# KiCad board Pico-ButtonBoard-v1.kicad_pcb
title: Pico Button Board; date: 2026-01-21; rev: 1
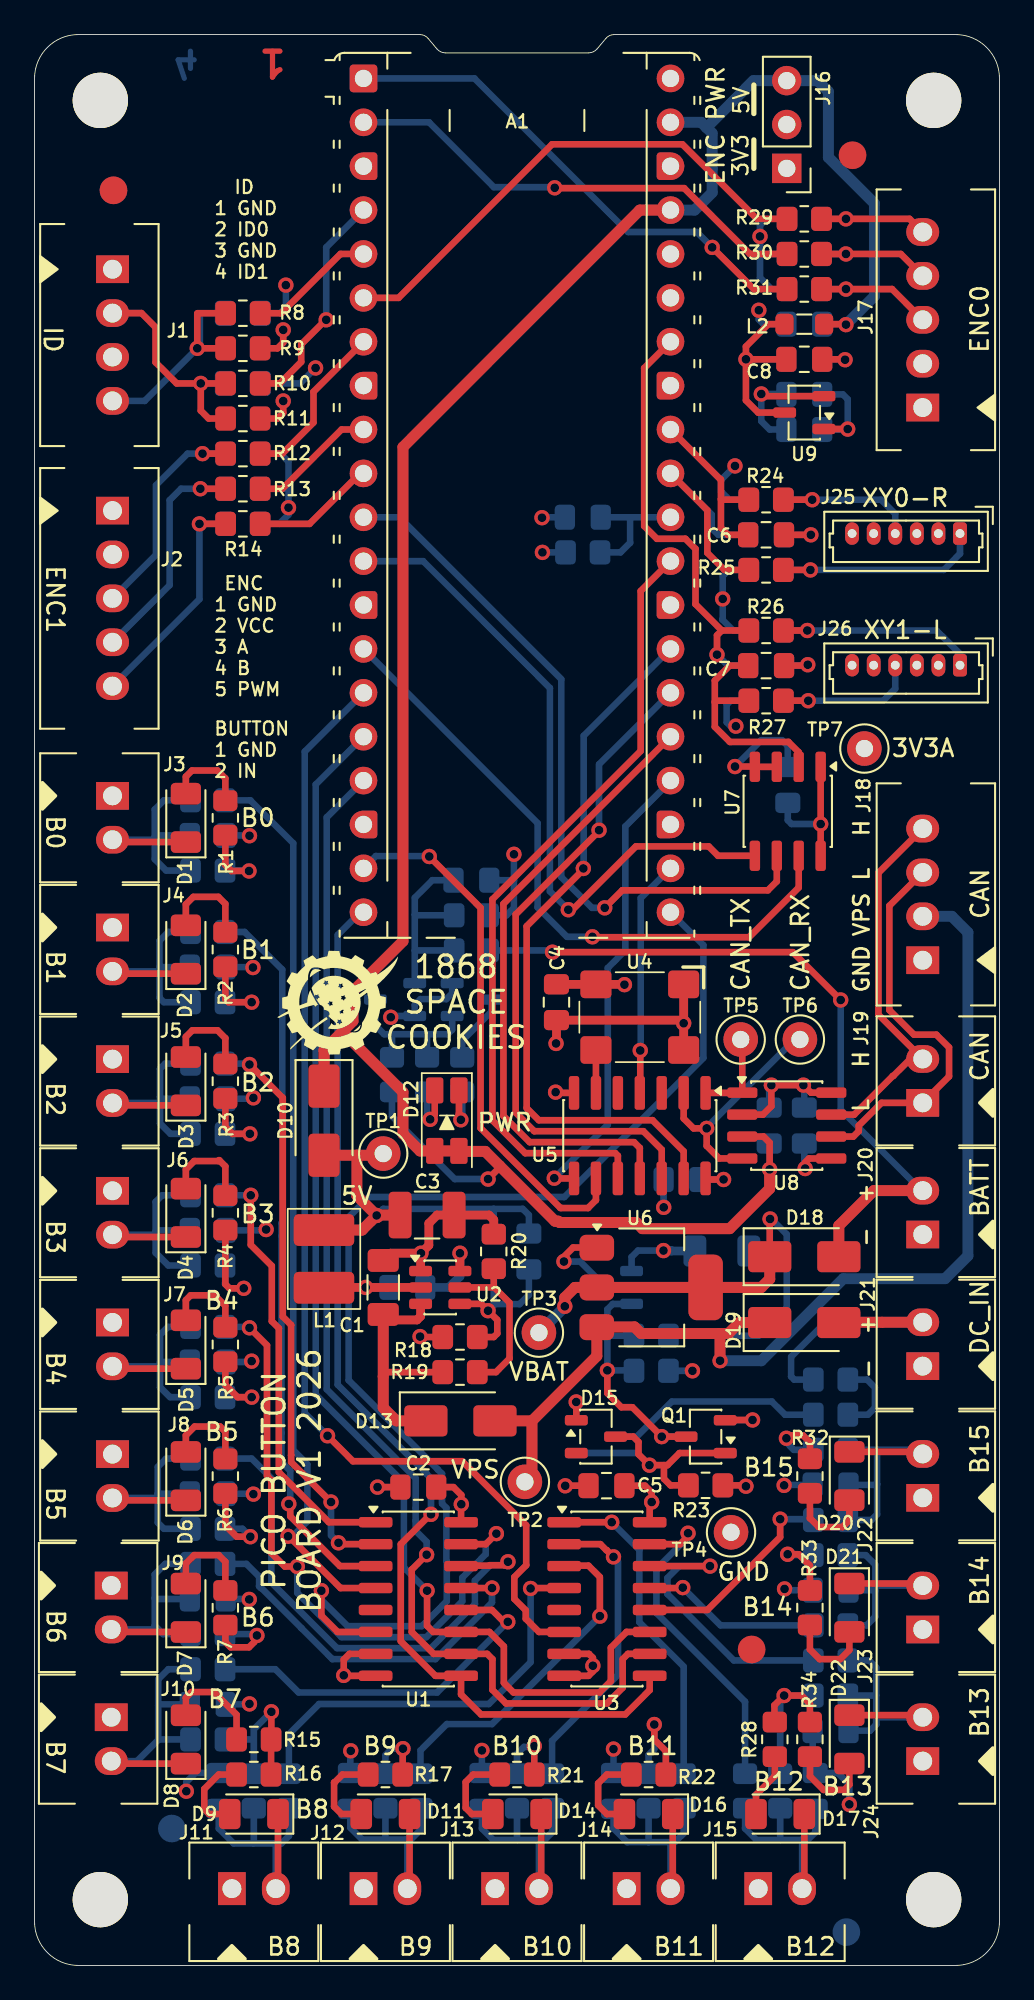
[diagram p0: board, top side]
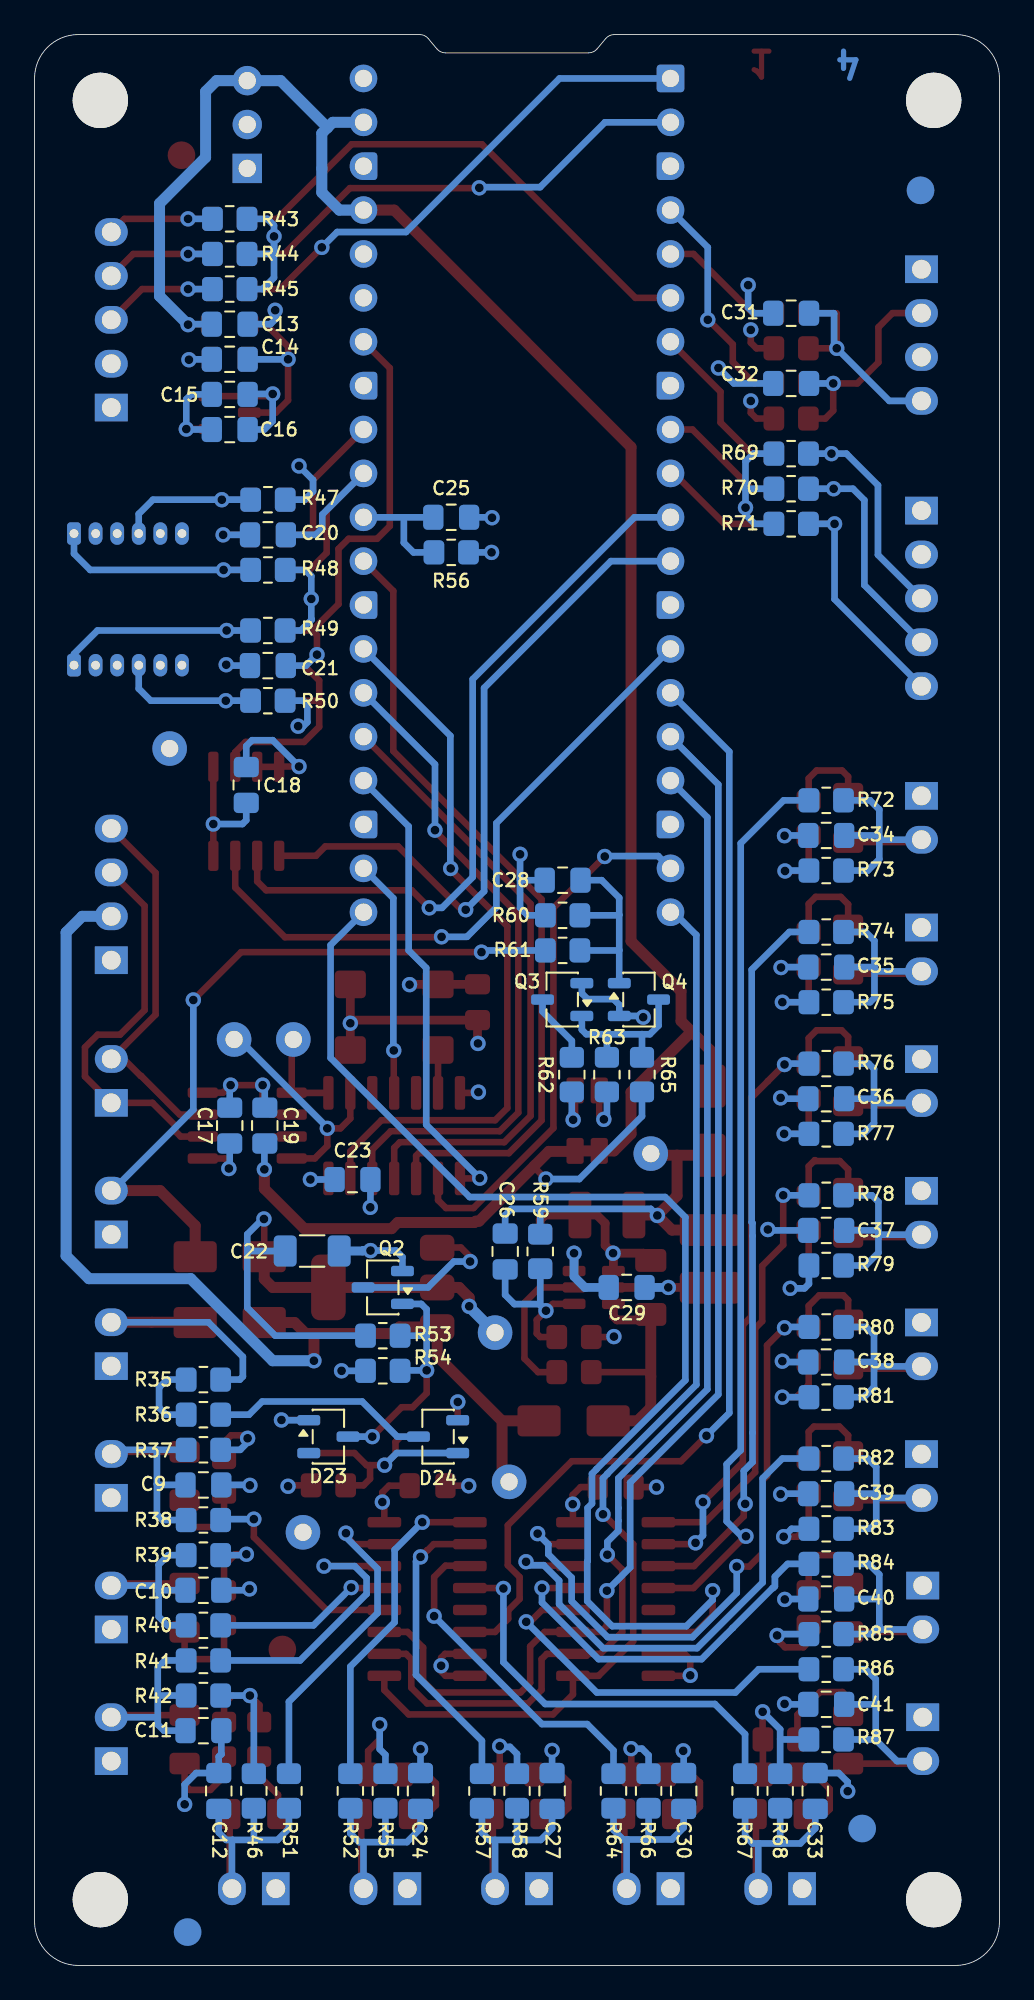
[diagram p1: board, bottom side, seen from below]

Outline 55.88 x 111.76 mm; copper layers: Top, In1.Cu, In2.Cu, Bottom. Coordinates in mm from the lower left corner of the outline.
Outline path: 0,109.22 arc(0.74,111.02) 2.54,111.76 22.31,111.76 arc(22.58,111.7) 22.8,111.53 23.3,110.93 arc(23.52,110.76) 23.79,110.7 32.09,110.7 arc(32.36,110.76) 32.58,110.93 33.08,111.53 arc(33.3,111.7) 33.57,111.76 53.34,111.76 arc(55.14,111.02) 55.88,109.22 55.88,2.54 arc(55.14,0.74) 53.34,0 2.54,0 arc(0.74,0.74) 0,2.54 0,109.22
Stack: Top 0.035mm / dielectric 0.1mm FR4 er 4.5 / In1.Cu 0.035mm / dielectric 1.24mm FR4 er 4.5 / In2.Cu 0.035mm / dielectric 0.1mm FR4 er 4.5 / Bottom 0.035mm

## Placement (name value [footprint] x y rotation side)
A1  RaspberryPi_Pico2  [RaspberryPi_Pico_Common_Unspecified]  27.94 85.09 0 top
C1  10uF-10%-50V-1206  [C_1206_3216Metric_Pad1.33x1.80mm_HandSolder]  20.19 39.24 90 top
C2  0.1uF-25V-10%-0805  [C_0805_2012Metric_Pad1.18x1.45mm_HandSolder]  22.22 27.69 180 top
C3  47uF-10%-16V-1210  [C_1210_3225Metric_Pad1.33x2.70mm_HandSolder]  22.73 43.43 0 top
C4  0.1uF-25V-10%-0805  [C_0805_2012Metric_Pad1.18x1.45mm_HandSolder]  30.23 55.75 90 top
C5  0.1uF-25V-10%-0805  [C_0805_2012Metric_Pad1.18x1.45mm_HandSolder]  33.12 27.77 180 top
C6  1000pF-50V-5%-0805  [C_0805_2012Metric_Pad1.18x1.45mm_HandSolder]  42.36 82.8 0 top
C7  1000pF-50V-5%-0805  [C_0805_2012Metric_Pad1.18x1.45mm_HandSolder]  42.37 75.23 0 top
C8  0.1uF-25V-10%-0805  [C_0805_2012Metric_Pad1.18x1.45mm_HandSolder]  44.58 92.96 0 top
C9  0.1uF-25V-10%-0805  [C_0805_2012Metric_Pad1.18x1.45mm_HandSolder]  46.1 27.81 180 bottom
C10  0.1uF-25V-10%-0805  [C_0805_2012Metric_Pad1.18x1.45mm_HandSolder]  46.1 21.72 180 bottom
C11  0.1uF-25V-10%-0805  [C_0805_2012Metric_Pad1.18x1.45mm_HandSolder]  46.1 13.59 180 bottom
C12  0.1uF-25V-10%-0805  [C_0805_2012Metric_Pad1.18x1.45mm_HandSolder]  45.21 10.1 90 bottom
C13  4.7uF-25V-10%-0805  [C_0805_2012Metric_Pad1.18x1.45mm_HandSolder]  44.58 95 180 bottom
C14  4.7uF-25V-10%-0805  [C_0805_2012Metric_Pad1.18x1.45mm_HandSolder]  44.58 92.96 0 bottom
C15  4.7uF-25V-10%-0805  [C_0805_2012Metric_Pad1.18x1.45mm_HandSolder]  44.58 90.93 0 bottom
C16  0.1uF-25V-10%-0805  [C_0805_2012Metric_Pad1.18x1.45mm_HandSolder]  44.58 88.9 0 bottom
C17  0.1uF-25V-10%-0805  [C_0805_2012Metric_Pad1.18x1.45mm_HandSolder]  44.58 48.61 90 bottom
C18  0.1uF-25V-10%-0805  [C_0805_2012Metric_Pad1.18x1.45mm_HandSolder]  43.62 68.33 90 bottom
C19  0.1uF-25V-10%-0805  [C_0805_2012Metric_Pad1.18x1.45mm_HandSolder]  42.54 48.61 90 bottom
C20  1000pF-50V-5%-0805  [C_0805_2012Metric_Pad1.18x1.45mm_HandSolder]  42.36 82.8 0 bottom
C21  1000pF-50V-5%-0805  [C_0805_2012Metric_Pad1.18x1.45mm_HandSolder]  42.37 75.23 0 bottom
C22  10uF-10%-50V-1206  [C_1206_3216Metric_Pad1.33x1.80mm_HandSolder]  39.8 41.35 180 bottom
C23  0.1uF-25V-10%-0805  [C_0805_2012Metric_Pad1.18x1.45mm_HandSolder]  37.47 45.49 180 bottom
C24  0.1uF-25V-10%-0805  [C_0805_2012Metric_Pad1.18x1.45mm_HandSolder]  33.53 10.1 90 bottom
C25  0.1uF-25V-10%-0805  [C_0805_2012Metric_Pad1.18x1.45mm_HandSolder]  31.75 83.82 180 bottom
C26  68pF-50V-5%-0805  [C_0805_2012Metric_Pad1.18x1.45mm_HandSolder]  28.63 41.33 270 bottom
C27  0.1uF-25V-10%-0805  [C_0805_2012Metric_Pad1.18x1.45mm_HandSolder]  25.91 10.1 90 bottom
C28  0.1uF-25V-10%-0805  [C_0805_2012Metric_Pad1.18x1.45mm_HandSolder]  25.3 62.81 0 bottom
C29  0.1uF-25V-10%-0805  [C_0805_2012Metric_Pad1.18x1.45mm_HandSolder]  21.59 39.24 180 bottom
C30  0.1uF-25V-10%-0805  [C_0805_2012Metric_Pad1.18x1.45mm_HandSolder]  18.29 10.1 90 bottom
C31  0.1uF-25V-10%-0805  [C_0805_2012Metric_Pad1.18x1.45mm_HandSolder]  12.06 95.63 0 bottom  (not fitted)
C32  0.1uF-25V-10%-0805  [C_0805_2012Metric_Pad1.18x1.45mm_HandSolder]  12.06 91.57 0 bottom  (not fitted)
C33  0.1uF-25V-10%-0805  [C_0805_2012Metric_Pad1.18x1.45mm_HandSolder]  10.67 10.1 90 bottom
C34  0.1uF-25V-10%-0805  [C_0805_2012Metric_Pad1.18x1.45mm_HandSolder]  10.03 65.41 0 bottom
C35  0.1uF-25V-10%-0805  [C_0805_2012Metric_Pad1.18x1.45mm_HandSolder]  10.03 57.78 0 bottom
C36  0.1uF-25V-10%-0805  [C_0805_2012Metric_Pad1.18x1.45mm_HandSolder]  10.03 50.16 0 bottom
C37  0.1uF-25V-10%-0805  [C_0805_2012Metric_Pad1.18x1.45mm_HandSolder]  10.03 42.54 0 bottom
C38  0.1uF-25V-10%-0805  [C_0805_2012Metric_Pad1.18x1.45mm_HandSolder]  10.03 34.92 0 bottom
C39  0.1uF-25V-10%-0805  [C_0805_2012Metric_Pad1.18x1.45mm_HandSolder]  10.03 27.31 0 bottom
C40  0.1uF-25V-10%-0805  [C_0805_2012Metric_Pad1.18x1.45mm_HandSolder]  10.03 21.21 0 bottom
C41  0.1uF-25V-10%-0805  [C_0805_2012Metric_Pad1.18x1.45mm_HandSolder]  10.03 15.11 0 bottom
D1  B0  [LED_1206_3216Metric]  8.76 66.42 90 top
D2  B1  [LED_1206_3216Metric]  8.76 58.8 90 top
D3  B2  [LED_1206_3216Metric]  8.76 51.18 90 top
D4  B3  [LED_1206_3216Metric]  8.76 43.56 90 top
D5  B4  [LED_1206_3216Metric]  8.76 35.94 90 top
D6  B5  [LED_1206_3216Metric]  8.76 28.32 90 top
D7  B6  [LED_1206_3216Metric]  8.76 20.7 90 top
D8  B7  [LED_1206_3216Metric]  8.76 13.08 90 top
D9  B8  [LED_1206_3216Metric]  12.7 8.76 180 top
D10  B340AE-13  [D_SMA]  16.76 48.89 270 top
D11  B9  [LED_1206_3216Metric]  20.32 8.76 180 top
D12  PWR  [Broadcom-HSMF-C158-LED]  23.88 48.89 90 top
D13  B340AE-13  [D_SMA]  24.66 31.52 0 top
D14  B10  [LED_1206_3216Metric]  27.94 8.76 180 top
D15  5.6V  [SOT-23-3]  32.51 30.61 0 top
D16  B11  [LED_1206_3216Metric]  35.56 8.76 180 top
D17  B12  [LED_1206_3216Metric]  43.18 8.76 180 top
D18  B340AE-13  [D_SMA]  44.58 41.02 0 top
D19  B340AE-13  [D_SMA]  44.58 37.21 0 top
D20  B15  [LED_1206_3216Metric]  47.19 28.33 270 top
D21  B14  [LED_1206_3216Metric]  47.19 20.71 270 top
D22  B13  [LED_1206_3216Metric]  47.19 13.09 270 top
D23  5.6V  [SOT-23-3]  38.86 30.61 180 bottom
D24  5.6V  [SOT-23-3]  32.51 30.61 0 bottom
FID1  Fiducial  [Fiducial_1.6mm_Mask3mm]  4.57 102.74 0 top
FID2  Fiducial  [Fiducial_1.6mm_Mask3mm]  41.53 18.29 0 top
FID3  Fiducial  [Fiducial_1.6mm_Mask3mm]  47.37 104.77 0 top
FID4  Fiducial  [Fiducial_1.6mm_Mask3mm]  47.02 1.93 180 bottom
FID5  Fiducial  [Fiducial_1.6mm_Mask3mm]  7.95 7.92 180 bottom
FID6  Fiducial  [Fiducial_1.6mm_Mask3mm]  4.57 102.74 180 bottom
G1  Space Cookies Logo  [SPACE_COOKIES_LOGO_7mm]  17.55 55.73 0 top
H1  MountingHole  [MountingHole_3.2mm_M3]  3.81 107.95 0 top
H2  MountingHole  [MountingHole_3.2mm_M3]  3.81 3.81 0 top
H3  MountingHole  [MountingHole_3.2mm_M3]  52.07 107.95 0 top
H4  MountingHole  [MountingHole_3.2mm_M3]  52.07 3.81 0 top
J1  ID  [Molex-70543-0003]  4.52 98.18 90 top
J2  ENC1  [Molex-70543-0039]  4.52 84.21 90 top
J3  B0  [Molex-70543-0001]  4.52 67.7 270 top
J4  B1  [Molex-70543-0001]  4.52 60.08 270 top
J5  B2  [Molex-70543-0001]  4.52 52.46 270 top
J6  B3  [Molex-70543-0001]  4.52 44.84 270 top
J7  B4  [Molex-70543-0001]  4.52 37.22 270 top
J8  B5  [Molex-70543-0001]  4.52 29.6 270 top
J9  B6  [Molex-70543-0001]  4.44 21.99 270 top
J10  B7  [Molex-70543-0001]  4.44 14.37 270 top
J11  B8  [Molex-70543-0001]  11.43 4.44 0 top
J12  B9  [Molex-70543-0001]  19.05 4.44 0 top
J13  B10  [Molex-70543-0001]  26.67 4.44 0 top
J14  B11  [Molex-70543-0001]  34.29 4.44 0 top
J15  B12  [Molex-70543-0001]  41.91 4.44 0 top
J16  ENC PWR  [PinHeader_1x03_P2.54mm_Vertical]  43.56 104.01 180 top
J17  ENC0  [Molex-70543-0039]  51.44 90.17 270 top
J18  CAN  [Molex-70543-0003]  51.44 58.18 270 top
J19  CAN  [Molex-70543-0001]  51.44 49.93 90 top
J20  BATT  [Molex-70543-0001]  51.44 42.31 90 top
J21  DC_IN  [Molex-70543-0001]  51.44 34.69 90 top
J22  B15  [Molex-70543-0001]  51.44 27.07 90 top
J23  B14  [Molex-70543-0001]  51.44 19.45 90 top
J24  B13  [Molex-70543-0001]  51.44 11.83 90 top
J25  XY0-R  [Molex_PicoBlade_53047-0610_1x06_P1.25mm_Vertical]  53.59 82.88 180 top
J26  XY1-L  [Molex_PicoBlade_53047-0610_1x06_P1.25mm_Vertical]  53.59 75.26 180 top
L1  5.6 uH-20%-3.4A  [Cyntec-MS6-Inductor]  16.76 40.89 90 top
L2  10uH-10%-500mA-0805  [L_0805_2012Metric_Pad1.05x1.20mm_HandSolder]  44.58 95 180 top
Q1  BSS123  [SOT-23-3]  38.86 30.61 180 top
Q2  BSS123  [SOT-23-3]  35.71 39.24 0 bottom
Q3  BSS123  [SOT-23-3]  25.32 55.91 0 bottom
Q4  BSS123  [SOT-23-3]  20.88 55.91 180 bottom
R1  1.50k-1%-0805  [R_0805_2012Metric_Pad1.20x1.40mm_HandSolder]  11.05 66.42 90 top
R2  1.50k-1%-0805  [R_0805_2012Metric_Pad1.20x1.40mm_HandSolder]  11.05 58.8 90 top
R3  1.50k-1%-0805  [R_0805_2012Metric_Pad1.20x1.40mm_HandSolder]  11.05 51.18 90 top
R4  1.50k-1%-0805  [R_0805_2012Metric_Pad1.20x1.40mm_HandSolder]  11.05 43.56 90 top
R5  1.50k-1%-0805  [R_0805_2012Metric_Pad1.20x1.40mm_HandSolder]  11.05 35.94 90 top
R6  1.50k-1%-0805  [R_0805_2012Metric_Pad1.20x1.40mm_HandSolder]  11.05 28.32 90 top
R7  1.50k-1%-0805  [R_0805_2012Metric_Pad1.20x1.40mm_HandSolder]  11.05 20.7 90 top
R8  10k-1%-0805  [R_0805_2012Metric_Pad1.20x1.40mm_HandSolder]  12.06 95.63 0 top
R9  1.50k-1%-0805  [R_0805_2012Metric_Pad1.20x1.40mm_HandSolder]  12.06 93.6 180 top
R10  10k-1%-0805  [R_0805_2012Metric_Pad1.20x1.40mm_HandSolder]  12.06 91.57 0 top
R11  1.50k-1%-0805  [R_0805_2012Metric_Pad1.20x1.40mm_HandSolder]  12.06 89.53 180 top
R12  49.9R-1%-0805  [R_0805_2012Metric_Pad1.20x1.40mm_HandSolder]  12.06 87.5 180 top
R13  49.9R-1%-0805  [R_0805_2012Metric_Pad1.20x1.40mm_HandSolder]  12.06 85.47 180 top
R14  49.9R-1%-0805  [R_0805_2012Metric_Pad1.20x1.40mm_HandSolder]  12.06 83.44 180 top
R15  1.50k-1%-0805  [R_0805_2012Metric_Pad1.20x1.40mm_HandSolder]  12.7 13.08 180 top
R16  1.50k-1%-0805  [R_0805_2012Metric_Pad1.20x1.40mm_HandSolder]  12.7 11.05 180 top
R17  1.50k-1%-0805  [R_0805_2012Metric_Pad1.20x1.40mm_HandSolder]  20.32 11.05 180 top
R18  13k-1%-0805  [R_0805_2012Metric_Pad1.20x1.40mm_HandSolder]  24.64 36.37 180 top
R19  100k-1%-0805  [R_0805_2012Metric_Pad1.20x1.40mm_HandSolder]  24.64 34.34 180 top
R20  20k-1%-0805  [R_0805_2012Metric_Pad1.20x1.40mm_HandSolder]  26.59 41.33 90 top
R21  1.50k-1%-0805  [R_0805_2012Metric_Pad1.20x1.40mm_HandSolder]  27.94 11.05 180 top
R22  1.50k-1%-0805  [R_0805_2012Metric_Pad1.20x1.40mm_HandSolder]  35.56 11.05 180 top
R23  20k-1%-0805  [R_0805_2012Metric_Pad1.20x1.40mm_HandSolder]  38.86 27.79 180 top
R24  49.9R-1%-0805  [R_0805_2012Metric_Pad1.20x1.40mm_HandSolder]  42.36 84.84 0 top
R25  49.9R-1%-0805  [R_0805_2012Metric_Pad1.20x1.40mm_HandSolder]  42.36 80.77 0 top
R26  49.9R-1%-0805  [R_0805_2012Metric_Pad1.20x1.40mm_HandSolder]  42.37 77.27 0 top
R27  49.9R-1%-0805  [R_0805_2012Metric_Pad1.20x1.40mm_HandSolder]  42.37 73.2 0 top
R28  1.50k-1%-0805  [R_0805_2012Metric_Pad1.20x1.40mm_HandSolder]  42.87 13.09 270 top
R29  49.9R-1%-0805  [R_0805_2012Metric_Pad1.20x1.40mm_HandSolder]  44.58 101.09 0 top
R30  49.9R-1%-0805  [R_0805_2012Metric_Pad1.20x1.40mm_HandSolder]  44.58 99.06 0 top
R31  49.9R-1%-0805  [R_0805_2012Metric_Pad1.20x1.40mm_HandSolder]  44.58 97.03 0 top
R32  1.50k-1%-0805  [R_0805_2012Metric_Pad1.20x1.40mm_HandSolder]  44.9 28.33 270 top
R33  1.50k-1%-0805  [R_0805_2012Metric_Pad1.20x1.40mm_HandSolder]  44.9 20.71 270 top
R34  1.50k-1%-0805  [R_0805_2012Metric_Pad1.20x1.40mm_HandSolder]  44.9 13.09 270 top
R35  1.50k-1%-0805  [R_0805_2012Metric_Pad1.20x1.40mm_HandSolder]  46.1 33.91 180 bottom
R36  1.50k-1%-0805  [R_0805_2012Metric_Pad1.20x1.40mm_HandSolder]  46.1 31.88 0 bottom
R37  1.50k-1%-0805  [R_0805_2012Metric_Pad1.20x1.40mm_HandSolder]  46.1 29.84 0 bottom
R38  10k-1%-0805  [R_0805_2012Metric_Pad1.20x1.40mm_HandSolder]  46.1 25.78 180 bottom
R39  1.50k-1%-0805  [R_0805_2012Metric_Pad1.20x1.40mm_HandSolder]  46.1 23.75 0 bottom
R40  10k-1%-0805  [R_0805_2012Metric_Pad1.20x1.40mm_HandSolder]  46.1 19.69 180 bottom
R41  10k-1%-0805  [R_0805_2012Metric_Pad1.20x1.40mm_HandSolder]  46.1 17.65 180 bottom
R42  1.50k-1%-0805  [R_0805_2012Metric_Pad1.20x1.40mm_HandSolder]  46.1 15.62 0 bottom
R43  20k-1%-0805  [R_0805_2012Metric_Pad1.20x1.40mm_HandSolder]  44.58 101.09 0 bottom
R44  20k-1%-0805  [R_0805_2012Metric_Pad1.20x1.40mm_HandSolder]  44.58 99.06 0 bottom
R45  20k-1%-0805  [R_0805_2012Metric_Pad1.20x1.40mm_HandSolder]  44.58 97.03 0 bottom
R46  1.50k-1%-0805  [R_0805_2012Metric_Pad1.20x1.40mm_HandSolder]  43.18 10.1 270 bottom
R47  100k-1%-0805  [R_0805_2012Metric_Pad1.20x1.40mm_HandSolder]  42.36 84.84 0 bottom  (not fitted)
R48  100k-1%-0805  [R_0805_2012Metric_Pad1.20x1.40mm_HandSolder]  42.36 80.77 0 bottom  (not fitted)
R49  100k-1%-0805  [R_0805_2012Metric_Pad1.20x1.40mm_HandSolder]  42.37 77.27 0 bottom  (not fitted)
R50  100k-1%-0805  [R_0805_2012Metric_Pad1.20x1.40mm_HandSolder]  42.37 73.2 0 bottom  (not fitted)
R51  10k-1%-0805  [R_0805_2012Metric_Pad1.20x1.40mm_HandSolder]  41.15 10.1 90 bottom
R52  10k-1%-0805  [R_0805_2012Metric_Pad1.20x1.40mm_HandSolder]  37.59 10.1 90 bottom
R53  20k-1%-0805  [R_0805_2012Metric_Pad1.20x1.40mm_HandSolder]  35.71 36.45 0 bottom
R54  20k-1%-0805  [R_0805_2012Metric_Pad1.20x1.40mm_HandSolder]  35.71 34.42 180 bottom
R55  1.50k-1%-0805  [R_0805_2012Metric_Pad1.20x1.40mm_HandSolder]  35.56 10.1 270 bottom
R56  1.50k-1%-0805  [R_0805_2012Metric_Pad1.20x1.40mm_HandSolder]  31.75 81.79 0 bottom
R57  10k-1%-0805  [R_0805_2012Metric_Pad1.20x1.40mm_HandSolder]  29.97 10.1 90 bottom
R58  1.50k-1%-0805  [R_0805_2012Metric_Pad1.20x1.40mm_HandSolder]  27.94 10.1 270 bottom
R59  100k-1%-0805  [R_0805_2012Metric_Pad1.20x1.40mm_HandSolder]  26.59 41.33 270 bottom
R60  100k-1%-0805  [R_0805_2012Metric_Pad1.20x1.40mm_HandSolder]  25.3 60.78 0 bottom
R61  100k-1%-0805  [R_0805_2012Metric_Pad1.20x1.40mm_HandSolder]  25.3 58.75 180 bottom
R62  1.50k-1%-0805  [R_0805_2012Metric_Pad1.20x1.40mm_HandSolder]  24.76 51.56 90 bottom
R63  1.50k-1%-0805  [R_0805_2012Metric_Pad1.20x1.40mm_HandSolder]  22.73 51.56 90 bottom
R64  10k-1%-0805  [R_0805_2012Metric_Pad1.20x1.40mm_HandSolder]  22.35 10.1 90 bottom
R65  10k-1%-0805  [R_0805_2012Metric_Pad1.20x1.40mm_HandSolder]  20.7 51.56 270 bottom
R66  1.50k-1%-0805  [R_0805_2012Metric_Pad1.20x1.40mm_HandSolder]  20.32 10.1 270 bottom
R67  10k-1%-0805  [R_0805_2012Metric_Pad1.20x1.40mm_HandSolder]  14.73 10.1 90 bottom
R68  1.50k-1%-0805  [R_0805_2012Metric_Pad1.20x1.40mm_HandSolder]  12.7 10.1 270 bottom
R69  20k-1%-0805  [R_0805_2012Metric_Pad1.20x1.40mm_HandSolder]  12.06 87.5 180 bottom
R70  20k-1%-0805  [R_0805_2012Metric_Pad1.20x1.40mm_HandSolder]  12.06 85.47 180 bottom
R71  20k-1%-0805  [R_0805_2012Metric_Pad1.20x1.40mm_HandSolder]  12.06 83.44 180 bottom
R72  10k-1%-0805  [R_0805_2012Metric_Pad1.20x1.40mm_HandSolder]  10.03 67.44 0 bottom
R73  1.50k-1%-0805  [R_0805_2012Metric_Pad1.20x1.40mm_HandSolder]  10.03 63.37 180 bottom
R74  10k-1%-0805  [R_0805_2012Metric_Pad1.20x1.40mm_HandSolder]  10.03 59.82 0 bottom
R75  1.50k-1%-0805  [R_0805_2012Metric_Pad1.20x1.40mm_HandSolder]  10.03 55.75 180 bottom
R76  10k-1%-0805  [R_0805_2012Metric_Pad1.20x1.40mm_HandSolder]  10.03 52.2 0 bottom
R77  1.50k-1%-0805  [R_0805_2012Metric_Pad1.20x1.40mm_HandSolder]  10.03 48.13 180 bottom
R78  10k-1%-0805  [R_0805_2012Metric_Pad1.20x1.40mm_HandSolder]  10.03 44.58 0 bottom
R79  1.50k-1%-0805  [R_0805_2012Metric_Pad1.20x1.40mm_HandSolder]  10.03 40.51 180 bottom
R80  10k-1%-0805  [R_0805_2012Metric_Pad1.20x1.40mm_HandSolder]  10.03 36.96 0 bottom
R81  1.50k-1%-0805  [R_0805_2012Metric_Pad1.20x1.40mm_HandSolder]  10.03 32.89 180 bottom
R82  10k-1%-0805  [R_0805_2012Metric_Pad1.20x1.40mm_HandSolder]  10.03 29.34 0 bottom
R83  1.50k-1%-0805  [R_0805_2012Metric_Pad1.20x1.40mm_HandSolder]  10.03 25.27 180 bottom
R84  10k-1%-0805  [R_0805_2012Metric_Pad1.20x1.40mm_HandSolder]  10.03 23.24 0 bottom
R85  1.50k-1%-0805  [R_0805_2012Metric_Pad1.20x1.40mm_HandSolder]  10.03 19.18 180 bottom
R86  10k-1%-0805  [R_0805_2012Metric_Pad1.20x1.40mm_HandSolder]  10.03 17.14 0 bottom
R87  1.50k-1%-0805  [R_0805_2012Metric_Pad1.20x1.40mm_HandSolder]  10.03 13.08 180 bottom
TP1  5V  [TestPoint_Keystone_5000-5004_Miniature]  20.19 46.99 0 top  (not fitted)
TP2  VPS  [TestPoint_Keystone_5000-5004_Miniature]  28.4 27.99 0 top  (not fitted)
TP3  VBAT  [TestPoint_Keystone_5000-5004_Miniature]  29.21 36.63 0 top  (not fitted)
TP4  GND  [TestPoint_Keystone_5000-5004_Miniature]  40.34 25.07 0 top  (not fitted)
TP5  CAN_TX  [TestPoint_Keystone_5000-5004_Miniature]  40.89 53.59 0 top  (not fitted)
TP6  CAN_RX  [TestPoint_Keystone_5000-5004_Miniature]  44.32 53.59 0 top  (not fitted)
TP7  3V3A  [TestPoint_Keystone_5000-5004_Miniature]  48.06 70.43 0 top  (not fitted)
U1  SN74HC151DR  [SOIC-16_3.9x9.9mm_P1.27mm]  22.22 21.21 0 top
U2  TPS54202DDC  [SOT-23-6]  23.49 39.24 0 top
U3  SN74HC151DR  [SOIC-16_3.9x9.9mm_P1.27mm]  33.15 21.21 0 top
U4  4.0 MHz  [Wurth-CFPS-73]  35.05 54.89 180 top
U5  MCP2518FDT-H/SL  [SO-14_3.9x8.65mm_P1.27mm]  35.05 48.03 270 top
U6  ITS41k0S-ME-N  [SOT-223-3_TabPin2]  35.71 39.24 0 top
U7  MCP3201T-CI/SN  [SO-8_3.9x4.9mm_P1.27mm]  43.62 66.8 270 top
U8  MCP2558FD  [SO-8_3.9x4.9mm_P1.27mm]  43.56 48.61 0 top
U9  MCP1700T-3302E/TT  [SOT-23-3]  44.58 89.88 180 top

## Library data of the parts
A1 = -: Datasheet: Components/pico-2-datasheet.pdf; Description: Versatile and inexpensive microcontroller module powered by RP2040 dual-core Arm Cortex-M0+ processor up to 133 MHz, 264kB SRAM, 2MB QSPI flash; also supports Raspberry Pi Pico 2; MFG: Raspberry PI; MFG P/N: SC1632; DIST: Digikey; DIST P/N: 2648-SC1632-ND; ki_fp_filters: RaspberryPi?Pico?Common* RaspberryPi?Pico?SMD*
C1 C22 = -: Description: capacitor, US symbol; MFG: Samsung Electro-Mechanics; MFG P/N: CL31A106KBHNNNE; DIST: Digikey; DIST P/N: 1276-2876-1-ND; ki_fp_filters: C_*
C2 C4 C5 C8-C12 C16-C19 C23-C25 C27-C41 = -: Description: capacitor, small US symbol; DIST: Digikey; DIST P/N: CC0805KRX7R8BB104; MFG: YAGEO; MFG P/N: 311-1141-1-ND; ki_fp_filters: C_*
C3 = -: Description: capacitor, US symbol; MFG: Samsung Electro-Mechanics; MFG P/N: CL32A476KOJNNNE; DIST: Digikey; DIST P/N: 1276-3376-2-ND; ki_fp_filters: C_*
C6 C7 C20 C21 = -: Description: capacitor, small US symbol; DIST: Digikey; DIST P/N: 399-C0805C102J5GACTUCT-ND; MFG: KEMET; MFG P/N: C0805C102J5GACTU; ki_fp_filters: C_*
C13-C15 = -: Description: capacitor, small US symbol; DIST: Digikey; DIST P/N: 445-4116-1-ND; MFG: TDK; MFG P/N: C2012X5R1E475K125AB; ki_fp_filters: C_*
C26 = -: Description: capacitor, small US symbol; DIST: Digikey; DIST P/N: 311-1109-1-ND; MFG: YAGEO; MFG P/N: CC0805JRNPO9BN680; ki_fp_filters: C_*
D1-D9 D11 D14 D16 D17 D20-D22 = -: Datasheet: Components/Everlight-QTLP650(C,D)-2,3,4,7,B.pdf; Description: Light emitting diode; DIST: Digikey; DIST P/N: 1080-1419-1-ND; MFG: Everlight; MFG P/N: QTLP650D4TR/QT15-21SYGD/S530-E2/TR8; ki_fp_filters: LED* LED_SMD:* LED_THT:*
D10 D13 D18 D19 = -: Datasheet: Components/DiodesInc-B340AE.pdf; Description: 100V, 1A, General Purpose Rectifier Diode, SMA(DO-214AC); MFG: Diodes Inc; DIST: Digikey; DIST P/N: B340AE-13DICT-ND; ki_fp_filters: D*SMA*
D12 = -: Datasheet: Components/Broadcom-AV02-0427EN_2022-04-28.pdf; Description: 2 Color Light emitting diode; MFG: Broadcom Limited; MFG P/N: HSMF-C158; DIST: Digikey; DIST P/N: 516-HSMF-C158CT-ND; ki_fp_filters: LED* LED_SMD:* LED_THT:*
D15 D23 D24 = -: Datasheet: Components/onsemi-MMBZ5221BLT1-D.pdf; Description: Zener diode; MFG: onsemi; MFG P/N: MMBZ5232BLT1G; DIST: Digikey; DIST P/N: MMBZ5232BLT1GOSCT-ND; ki_fp_filters: TO-???* *_Diode_* *SingleDiode* D_*
FID1-FID6 = -: Description: Fiducial Marker; ki_fp_filters: Fiducial*
G1 = -: Description: Filled arrow, 300mil
H1-H4 = -: Description: Mounting Hole without connection; ki_fp_filters: MountingHole*
J1 J18 = -: Datasheet: Components/Molex-705430001_sd.pdf; Description: Generic connector, single row, 01x04, script generated (kicad-library-utils/schlib/autogen/connector/); MFG: Molex; MFG P/N: 0705430038; DIST: Mouser; DIST P/N: WM4826-ND; ki_fp_filters: Connector*:*_1x??_*
J2 J17 = -: Datasheet: Components/Molex-705430001_sd.pdf; Description: Connector Header Through Hole 5 position 0.100" (2.54mm); MFG: Molex; MFG P/N: 0705430039; DIST: Digikey; DIST P/N: WM4827-ND; ki_fp_filters: Connector*:*_1x??_*
J3-J15 J19-J24 = -: Datasheet: Components/Molex-705430001_sd.pdf; MFG: Molex; MFG P/N: 70543-0036; DIST: Digikey; DIST P/N: WM4824-ND; ki_fp_filters: Connector*:*_1x??_*
J16 = -: Description: Generic connector, single row, 01x03, script generated (kicad-library-utils/schlib/autogen/connector/); MFG: Würth Elektronik; MFG P/N: 61300311121; DIST: Digikey; DIST P/N: 732-5316-ND; ki_fp_filters: Connector*:*_1x??_*
J25 J26 = -: Datasheet: Components/Molex-530470610.pdf; Description: Generic connector, single row, 01x06, script generated (kicad-library-utils/schlib/autogen/connector/); MFG: Molex; MFG P/N: 530470610; DIST: Digikey; DIST P/N: WM1735-ND; ki_fp_filters: Connector*:*_1x??_*
L1 = -: Datasheet: Components/DeltaElectronics-(B0) VCHA042A MS6 Series_standard.pdf; Description: 5.6 µH Shielded Inductor 3.4 A 71.1mOhm Max Nonstandard; MFG: Delta Electronics/Cynec; MFG P/N: VCHA042A-5R6MS6; DIST: Digikey; DIST P/N: 2037-VCHA042A-5R6MS6CT-ND; ki_fp_filters: Choke_* *Coil* Inductor_* L_*
L2 = -: Datasheet: Components/TDK_inductor_commercial_decoupling_mlz2012_en.pdf; Description: 10 µH Shielded Multilayer Inductor 500 mA 300mOhm 0805 (2012 Metric); MFG: TDK; MFG P/N: MLZ2012N100LT000; DIST: Digikey; DIST P/N: 445-6762-1-ND; ki_fp_filters: Choke_* *Coil* Inductor_* L_*
Q1-Q4 = -: Datasheet: Components/onsemi-BSS123-D.PDF; Description: 0.17A Id, 100V Vds, N-Channel MOSFET, SOT-23; MFG: onsemi; DIST: Digikey; DIST P/N: BSS123NCT-ND; ki_fp_filters: SOT?23*